# Altium PCB CSU RevA_ASCII.PcbDoc (part 3 of 5) (continued)
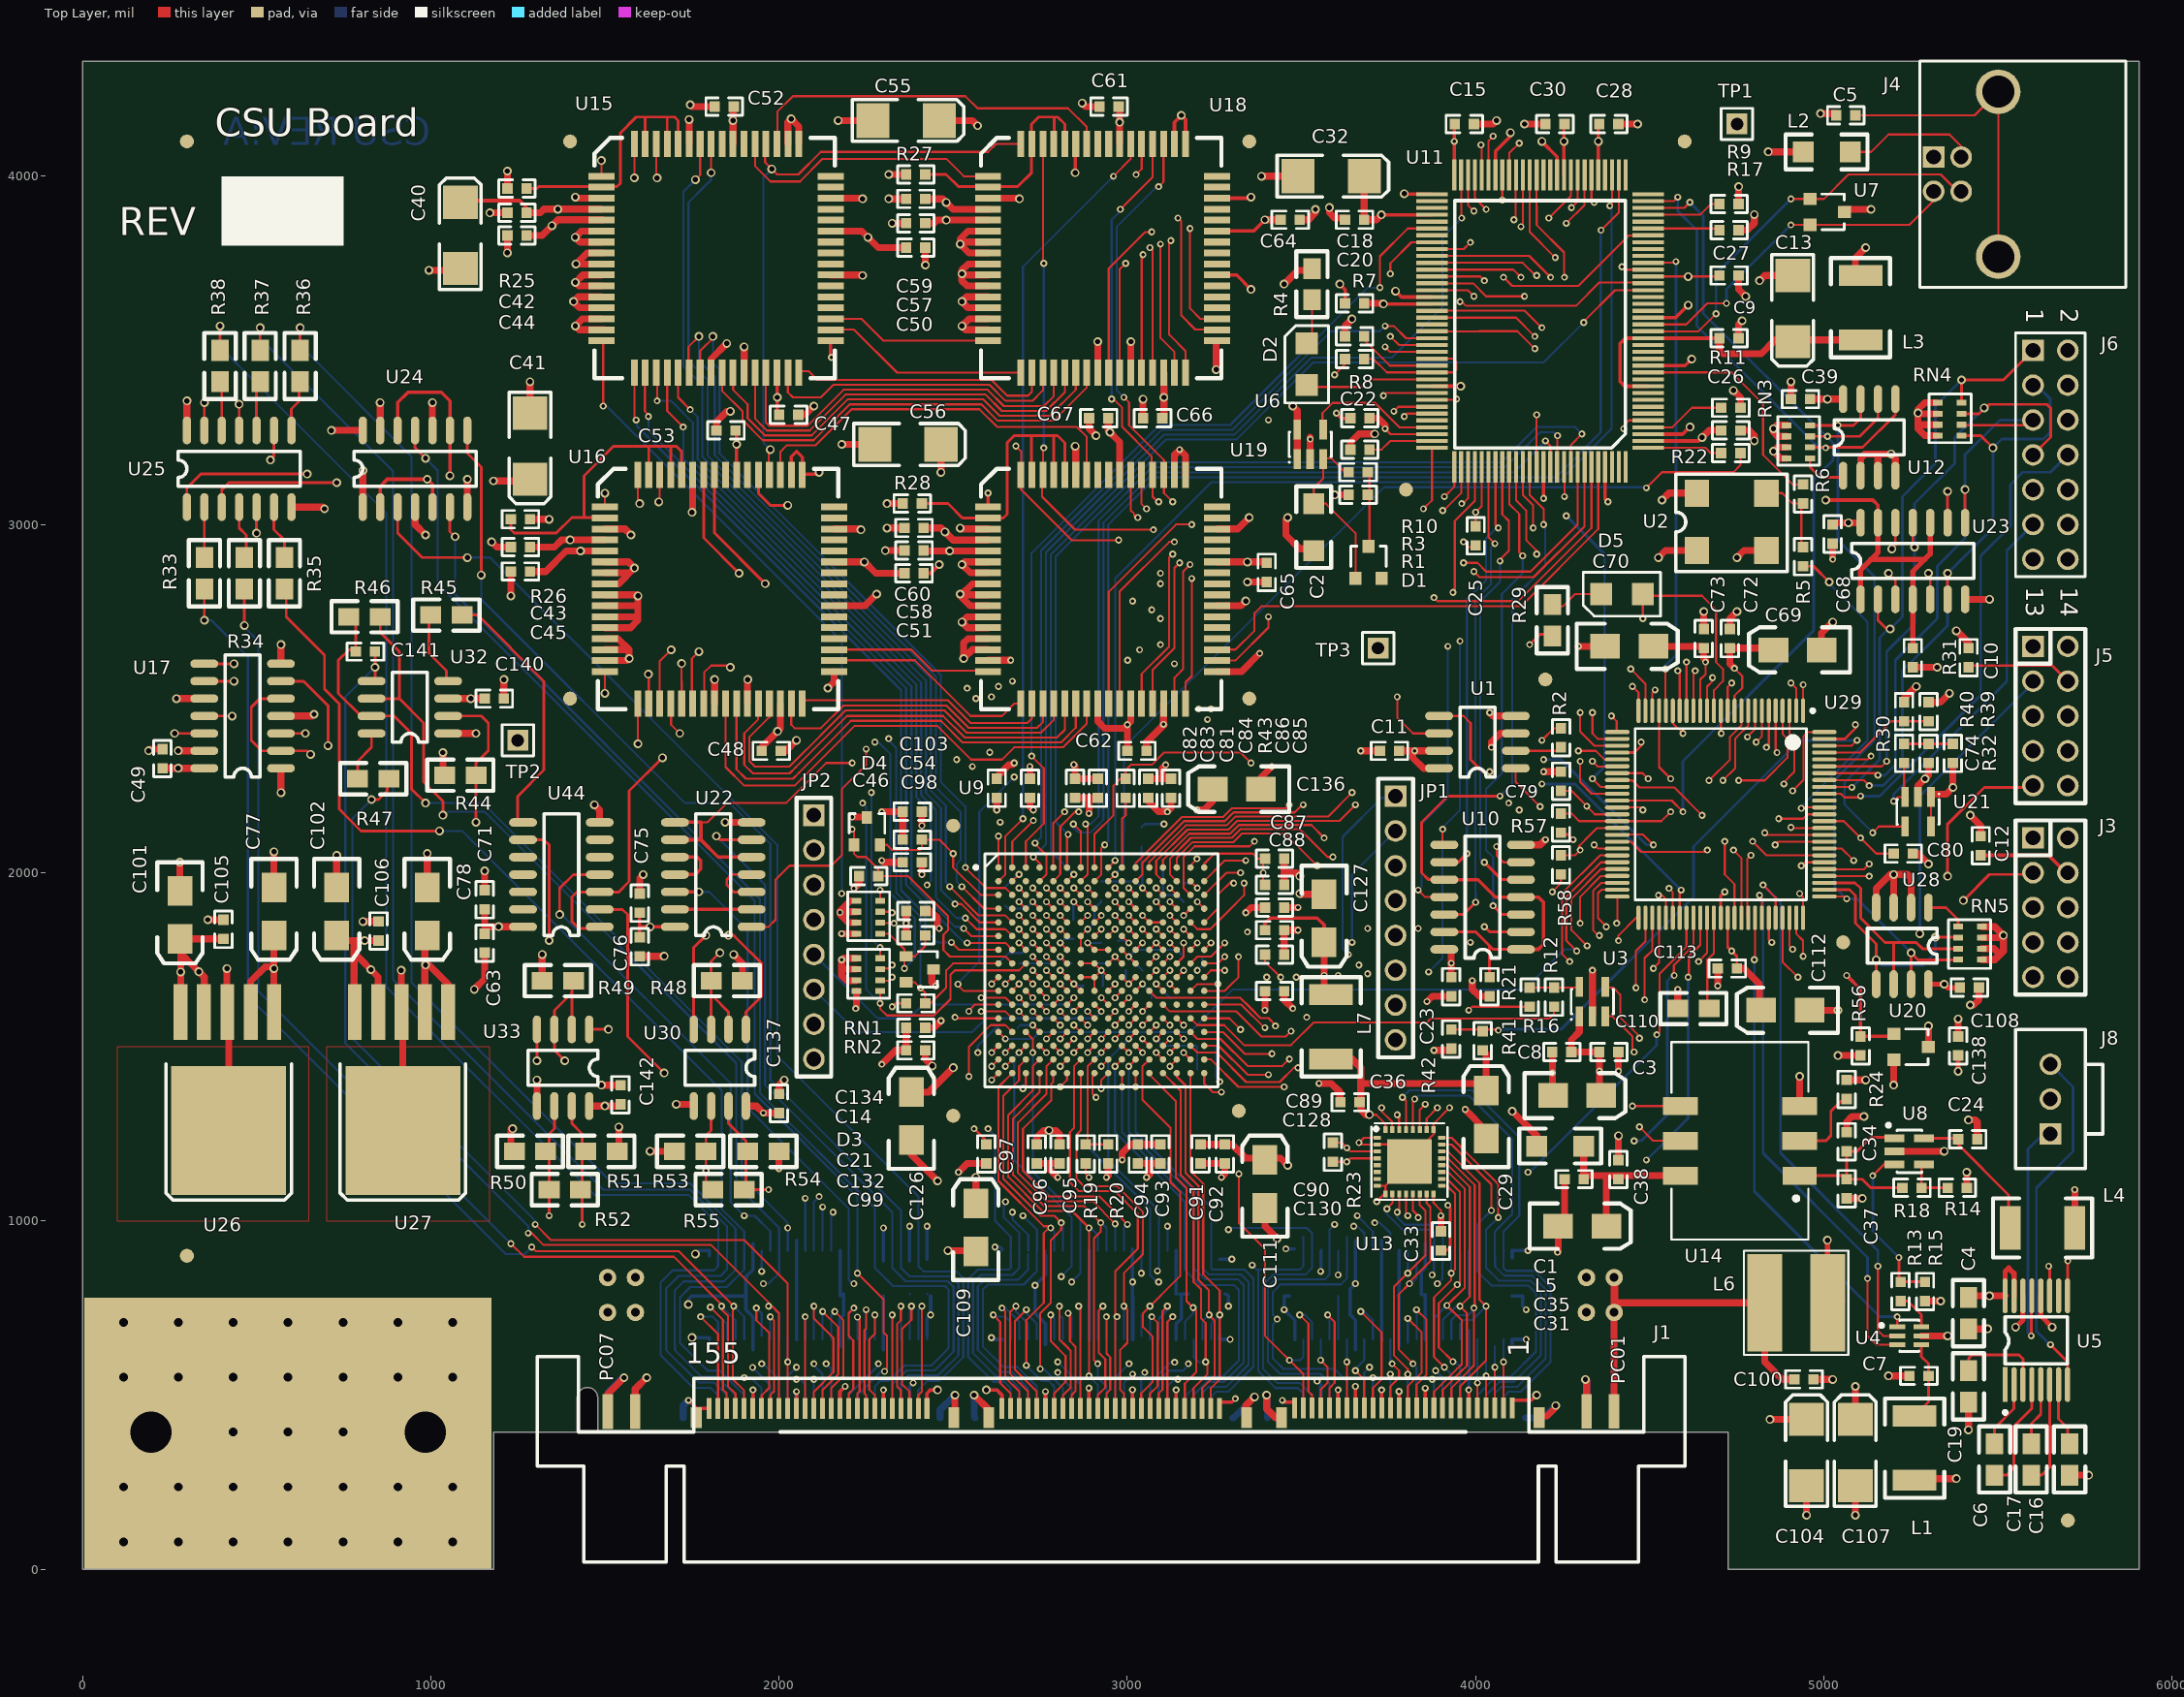
[diagram p0: Top Layer view]
## Nets (pads, with @x,y where several pads share a name; then routed paths per layer and width w, separated by ;. In a path a pad name is that pad's centre, name@x,y a point inside that pad or via, vN(x,y) a via of type N, cw(c..) or ccw(c..) an arc to the next point about the centre after c; other vN are vias at no path point) (continued)
  Bottom Layer w6: J1.156@1800,455 J1.156@1800.2,455.2 ; J1.146@1924.71,461.79 J1.146@1925,462.08 ; v1@2049.71,514.71 v1@2050,515 ; J2.159@2050.2,789.8 2050,790 2050.2,790.2 J2.136@2050.2,914.96 ; v1@2189.71,525 v1(2190,525) ; v1@2299.71,514.71 v1(2300,515) ; J2.159@2300,785 J2.159@2300.2,785.2 ; v1(2300,980) v1@2300.2,979.8 ; J2.115@2300.2,640 J2.115@2300.2,670 ; J2.159@2375,790 J2.159@2375.2,790.2 ; v1(2375,985) v1@2375.2,984.8 ; J2.159@2425,790 J2.159@2425.2,790.2 ; v1(2425,985) v1@2425.2,984.8 ; J2.105@2425.2,659.84 J2.105@2425.2,670 ; v1(2570.94,1483.5) 2570.94,1503.19 2622.76,1555.01 C121.1@2630,1555.01 ; C115.1@2635,1740.01 2635,1744.41 2660.18,1769.59 2699.55,1769.59 v3(2728.43,1798.46) ; J2.104@2640.35,914.96 J2.104@2640.35,919.65 ; C133.1@2650.01,1960 2685.32,1995.32 v3(2689.06,1995.32) ; v1@2764.86,509.86 v1(2765,510) ; J2.94@2765.35,900 J2.94@2765.35,914.96 ; C123.1@2845.01,1865 2845.01,1915.05 v3(2846.54,1916.57) ; J2.158@2890,785 J2.158@2890.35,785.35 ; C116.1@2895,1739.99 2945.54,1739.99 v3(2964.65,1759.09) ; C124.1@2925.01,1975 3024.33,1975 v3(3043.39,1955.94) 3043.39,2006.62 C135.1@3040,2010.01 C117.1@3039.99,2075 ; v3(2925.28,1719.72) 2930,1715 C125.1@2930,1674.99 ; C129.1@2973,1804.99 2997.49,1804.99 v3(3004.02,1798.46) ; C114.1@2995,1720.01 2995,1689.37 v3(3004.02,1680.35) ; v1@3010,520 v1(3014.86,515.14) ; J2.158@3015,785 J2.158@3015.35,784.65 ; v3(3082.76,1680.35) 3123.12,1639.99 C119.1@3125,1639.99 ; v1(3139.86,514.86) v1@3140,515 ; C131.1@3160.01,1970 3186.81,1970 v3(3200.87,1955.94) ; v3(3200.87,1719.72) 3215,1733.86 C118.1@3215,1759.09 ; C120.1@3255,1499.99 3255,1410 v1(3265,1400) ; J1.54@3264.86,461.79 3264.86,479.86 J1.54@3265,480 ; v1@3294.84,659.84 v1(3295,660) ; v1(3555,855) v1@3555.51,855.51 ; J1.42@3605,463.05 J1.42@3605.21,462.85 ; J2.157@3605,785 3605.51,784.49 J2.41@3605.51,659.84 ; v1(3605,845) 3605.51,845.51 J2.42@3605.51,914.96 ; v1(3655,525) v1@3655.21,524.79 ; v1(3730,515) v1@3730.21,514.79 ; J2.157@3730,785 3730.51,785.51 J2.32@3730.51,914.96 ; J1.28@3780,463.05 J1.28@3780.21,462.85 ; J2.27@3780.51,659.84 3780.51,779.49 3775,785 J2.157@3780.51,790.51 ; J1.22@3855,463.05 J1.22@3855.21,462.85 ; J2.157@3980,790 3980.51,790.51 J2.12@3980.51,914.96 ; v1@4144.84,659.84 v1(4145,660) ; v1@4149.96,914.96 v1(4150,915)
  Bottom Layer w10: v1(1740,485) 1763.21,461.79 J1.156@1799.71,461.79 ; v2(1740,760) 1740,775 1750,785 J2.159@1905,785 ; v2(1750,665) J2.155@1800,665 ; v2(1760,905) 1769.96,914.96 J2.156@1800.2,914.96 1800,914.76 J2.156@1800,900 ; J2.155@1800,659.84 J2.155@1800.2,659.84 ; J1.146@1925,462.08 v1(1925,515) ; J2.145@1925,630 1925,725 1905,745 1905,839.8 1925.2,860 1925.2,934.8 J2.146@1925,935 ; J1.136@2049.71,461.79 v1@2049.71,514.71 ; J2.136@2050,945 2050,660.04 J2.135@2050.2,659.84 ; J1.126@2174.71,461.79 2174.71,509.71 v1(2190,525) ; J2.125@2175,640 2175,720 2185,730 2185,790 2180,790 2175.2,785.2 J2.126@2175.2,914.96 ; J1.116@2299.71,461.79 v1@2299.71,514.71 ; J2.115@2300,630 J2.159@2300,785 ; J2.116@2300,885 2300,979.61 v1@2300.2,979.8 ; J1.110@2374.71,461.79 2374.71,524.71 v1(2385,535) ; J2.110@2375,885 2375,984.61 v1@2375.2,984.8 ; J1.106@2424.71,461.79 2424.71,504.71 2435,515 v2(2455,515) ; J2.106@2425,890 2425,984.61 v1@2425.2,984.8 ; J2.105@2425.2,670 2425.2,720.2 v1(2435,730) J2.159@2435,785 ; v2(2595,515) 2625,515 2640,500 2640,461.93 J1.104@2639.86,461.79 ; v1(2610,665) 2615.16,659.84 J2.103@2640.35,659.84 ; v1(2620,925) 2635,925 J2.104@2640.35,919.65 ; J1.94@2764.86,461.79 v1@2764.86,509.86 ; J2.93@2765,645 2765,705 2735,735 v1(2735,815) 2765.35,845.35 J2.94@2765.35,900 ; J1.84@2889.86,461.79 v1(2889.86,519.86) ; J2.83@2890.35,659.84 J2.84@2890.35,914.96 ; J1.74@3014.86,461.79 v1(3014.86,515.14) ; J2.158@3015,785 J2.74@3015,920 ; J2.73@3015.35,659.84 J2.158@3015.35,784.65 ; J1.64@3139.86,461.79 v1(3139.86,514.86) ; J2.158@3140,790 J2.64@3140,914.96 ; J2.63@3140.35,659.84 3140.35,705.35 3155,720 3155,785 3150,790 J2.158@3175,790 ; J1.54@3265,480 3300,480 v1(3310,490) ; J2.53@3265,670 3265,660.2 J2.53@3265.35,659.84 v1@3294.84,659.84 ; J2.54@3265,890 v1@3299.61,890 ; J2.158@3280,790 3285,790 3290,785 v1(3290,755) ; v1@3445,480 J1.52@3480,480 ; v1(3455,920) J2.52@3480,920 ; J2.157@3465,785 3450,785 v1(3450,745) 3480.51,714.49 J2.51@3480.51,659.84 ; v1(3545,540) 3555.21,529.79 J1.46@3555.21,462.85 ; v1@3555.51,855.51 J2.46@3555.51,914.96 ; J1.42@3605,463.05 v1(3605,515) ; J2.37@3655,630 3655,715 3640,730 3640,805 v1(3655,820) J2.38@3655,945 ; J1.38@3655.21,462.85 v1@3655.21,524.79 ; J2.32@3730,945 3730,660.35 J2.31@3730.51,659.84 ; J1.32@3730.21,462.85 v1@3730.21,514.79 ; J1.28@3780,463.05 v1@3780,505 ; J2.27@3780,640 3780,914.45 J2.28@3780.51,914.96 ; J1.22@3855,463.05 v1@3855,520 ; J2.22@3855,935 3855,865 3844,854 3844,789 3853.91,789 3855.51,787.4 J2.21@3855.51,659.84 ; J1.12@3980,450 J2.11@3980,685 ; J2.1@4105,635 4105,659.33 J2.1@4105.51,659.84 v1@4144.84,659.84 ; J2.157@4105,785 4135,785 4135,755 v1(4145,745) ; J2.2@4105,895 4105,914.45 J2.2@4105.51,914.96 v1@4149.96,914.96 ; J1.2@4105.21,462.85 4105.21,484.79 4105,485 4160,485 v2(4175,500)
  Bottom Layer w20: J1.PC08@1508.31,452.85 1510,454.54 1510,510 1550,550 v2(1555,550) ; J1.PC06@1587.21,452.85 1587.21,517.21 v2(1620,550) ; J1.0@1725,435 1725,470 v1(1740,485) ; J1.0@2462.21,434.79 2462.21,457.21 v2(2505,500) ; v2(2560,500) 2560,437 J1.0@2562.21,434.79 ; J1.0@3302.21,434.79 3304.79,434.79 v2(3365,495) ; v2(3400,500) 3402.21,497.79 J1.0@3402.21,434.79 ; J1.0@4142.21,434.79 4194.79,434.79 v2(4230,470) ; v2(4315,545) 4320,540 4320,455.04 J1.PC04@4318.31,453.35
  other v1: 3980,515 3015,825 3300,890 3715.75,1055.75 4220,1425 2365,1855 3490,1900 2720,2305 3000,2425 4680,2560 3525,3245
  other v2: 4950,155 5385,1580 1155,2005 5290,2270 2520,2800 2305,2925 2310,2990 2325,3865 1170,3895 2240,3935 2315,3935 4140,4150
GPS_1HZ: J1.49 J2.49 R19.1 | length 1334
  Top Layer w6: R19.1@2880.02,1165 2880.01,1134.99 v1(2890,1125) ; v1(3320,1135) 3320,995 3395,920 3395,670 3505,560 J1.49@3505,462.85
  MidLayer1 w6: v1(2890,1125) 2915,1150 3305,1150 v1(3320,1135)
  Bottom Layer w6: v1(3465,600) 3495.51,600 3505.51,610 J2.49@3505.51,659.84
I_ADDR0_A: J1.107 J2.107 U17.3 | length 3126.2
  Top Layer w6: J1.107@2399.71,461.79 2399.71,499.71 2410,510 v1(2410,755)
  Top Layer w8: U17.3@570,2400 v2(640,2400)
  MidLayer2 w6: v2(640,2400) 715,2400 775,2340 775,2190 1262.29,1702.71 1667.29,1702.71 2247,1123 2247,922.4 2410,759.4 v1(2410,755)
  Bottom Layer w6: J2.107@2400.2,659.84 2400,660.04 2400,745 v1(2410,755)
I_ADDR0_B: J1.109 J2.109 U17.6 | length 3241.7
  Top Layer w6: J1.109@2374.71,461.79 2374.71,510 2352.71,532 2352.71,689 2380,716.29 v1(2380,755)
  Top Layer w8: U17.6@565,2550 635,2550 705,2480 v2(705,2365)
  MidLayer2 w6: v2(705,2365) 705,2225 736.53,2193.47 1256.2,1673.8 1671.2,1673.8 2233,1112 2233,916.6 2380,769.6 v1(2380,755)
  Bottom Layer w6: J2.109@2375.2,659.84 2375.2,750.2 v1(2380,755)
I_ADDR1: J1.111 J2.111 U17.8 | length 3361.5
  Top Layer w6: J1.111@2349.71,461.79 2349.71,514 2338.71,525 2338.71,704 2349.71,715 v1@2349.71,754.71
  Top Layer w8: U17.8@355,2600 v2(435,2600)
  MidLayer2 w6: v2(435,2600) 475,2560 475,2400 1220,1655 1640,1655 2219,1076 2219,910.8 2350,779.8 v1(2350,755)
  Bottom Layer w6: v1(2350,755) 2350,660.04 J2.111@2350.2,659.84
I_ADDR2: J1.113 J2.113 U17.11 | length 3153.2
  Top Layer w6: J1.113@2324.71,461.79 2324.71,729.71 v1(2325,730)
  Top Layer w8: U17.11@350,2450 v2(430,2450)
  MidLayer2 w6: v2(430,2450) 425,2445 425,2415 1207.18,1632.82 1592.18,1632.82 2205,1020 2205,905 2325,785 v1(2325,730)
  Bottom Layer w6: v1(2325,730) 2325.2,729.8 J2.113@2325.2,659.84
IFCLK: R43.2 U9.A8 U11.32 | length 2907.2
  Top Layer w6: U9.A8@2905.59,2015 2905.59,2110.59 2960,2165 2960,2250 2980,2270 R43.2@2995.01,2270 2995.01,2295.01 3010,2310 3070,2310 3105,2345 3325,2345 v1(3355,2315) ; v1(4080,3710) 4105,3685 4295,3685 4326.03,3716.03 4440.24,3830.24 U11.32@4495,3830.24
  MidLayer2 w6: v1(3355,2315) 3430,2390 3430,2654.6 3775,2999.6 3775,3044.4 4089,3358.4 4089,3700 4080,3709 v1(4080,3710)
INT4: U11.28 U29.21 | length 1383.9
  Top Layer w6: U11.28@4495,3751.5 4571.5,3751.5 v1(4575,3755) ; U29.21@4545,2465 v1(4545,2585)
  Bottom Layer w8: v1(4545,2585) 4545,2595 4575,2625 v1(4575,3755)
INT5_N: U11.106 U29.20 | length 1355.7
  Top Layer w6: v1(3935,2805) 3940,2810 3940,3010 3997.72,3067.72 U11.106@3997.72,3165.63 ; U29.20@4565.98,2465 4565,2465.98 4565,2430 v1(4595,2400)
  MidLayer1 w6: v1(3935,2805) 4295,2805 4327.5,2772.5 4509.45,2590.55 4595,2505 v1(4595,2400)
INTERF_RES: U29.41 U44.1 U44.3 | length 3882.8
  Top Layer w6: U29.41@4405,2110 4480,2110 v1(4510,2080)
  Top Layer w8: U44.1@1484.96,1844.57 1480.39,1840 1425,1840 1405,1860 1405,1930 1419.57,1944.57 1539.57,1944.57 1570,1975 1570,2235 v2(1665,2330)
  MidLayer3 w6: v2(1665,2330) 1675,2340 2225,2340 2245,2320 2350,2320 2435,2405 2818,2405 2835,2388 4092,2388 4155,2325 v1(4195,2325)
  Bottom Layer w8: v1(4195,2325) 4245,2325 4490,2080 v1(4510,2080)
IR_REN_H_N: U16.51 U19.58 | length 1137.5
  Top Layer w6: U16.51@2003.94,3143 2003.94,3208.94 2022.72,3227.72 2105.2,3227.72 2208.48,3331 2575.21,3331 2626.21,3280 2855,3280 2883.47,3251.53 U19.58@2883.47,3143
IR_REN_L_N: U15.51 U18.58 | length 1086.8
  Top Layer w6: U15.51@1993.94,4093 1995,4091.94 1995,4185 2040,4230 2535,4230 2570,4195 2830,4195 2883.47,4141.53 U18.58@2883.47,4093
L_TCK: U10.12 U11.108 U23.12 | length 2615.7
  Top Layer w6: U11.108@4037.09,3165.63 4037.09,2962.91 v1(4055,2945)
  Top Layer w8: U10.12@3910,1880 3965,1880 v1(4000,1915) ; v2(5195,2930) 5205,2940 U23.12@5205,3005
  MidLayer3 w6: v1(4055,2945) 4060,2950 5175,2950 v2(5195,2930)
  Bottom Layer w6: v1(4000,1915) 4000,1944 3999,1945 3999,2784 4044,2829 4044,2934 v1(4055,2945)
L_TDI: U10.5 U11.110 U23.5 | length 2669.7
  Top Layer w6: v1(4070,2895) 4070,2900 4095,2925 4095,3010 4076.46,3028.54 U11.110@4076.46,3165.63
  Top Layer w8: v1(4025,2030) 4075,1980 U10.5@4135,1980 ; v2(5300,2860) 5305,2855 U23.5@5305,2785
  MidLayer3 w6: v1(4070,2895) 4111,2936 5124,2936 5160,2900 5260,2900 v2(5300,2860)
  Bottom Layer w6: v1(4025,2030) 4023,2030 4013,2040 4013,2778.2 4070,2835.2 v1(4070,2895)
L_TDO: U10.3 U11.111 U23.3 | length 2572.9
  Top Layer w6: U11.111@4096.14,3165.63 4096.14,3058.86 4125,3030 4125,2920 v1(4135,2910)
  Top Layer w8: v1(4050,1905) 4075,1880 U10.3@4130,1880 ; v2(5185,2860) 5205,2840 U23.3@5205,2785
  MidLayer3 w6: v1(4135,2910) 4170,2875 5170,2875 v2(5185,2860)
  Bottom Layer w6: v1(4050,1905) 4050,2045 4030,2065 4030,2240 4075,2285 4075,2800 4135,2860 v1(4135,2910)
L_TMS: U10.9 U11.109 U23.9 | length 2674.6
  Top Layer w6: U11.109@4056.77,3165.63 4056.77,2998.23 v1(4065,2990)
  Top Layer w8: U10.9@3910,2030 3950,2030 v1(3975,2055) ; U23.9@5355,3005 v2(5355,3095)
  MidLayer3 w6: v1(4065,2990) 4091,2964 5224,2964 v2(5355,3095)
  Bottom Layer w6: v1(3975,2055) 3975,2785 4027.24,2837.24 4030,2840 4030,2960 4060,2990 v1(4065,2990)
LED_1: J1.147 J2.147 R33.1 | length 3434.3
  Top Layer w6: v1(1290,925) 1302,913 1712,913 v1(1870,755) 1867,752 1867,546 1899.71,513.29 J1.147@1899.71,461.79
  Top Layer w8: v2(350,2725) R33.1@350,2820
  Bottom Layer w6: v2(350,2725) 370,2725 475,2620 475,1645 1215,905 1270,905 v1(1290,925) ; v1(1870,755) 1900,725 J2.147@1900,665 ; J2.147@1900.2,659.84 J2.147@1900.2,665
LED_2: J1.149 J2.149 R34.1 | length 3300.9
  Top Layer w6: v1(1230,935) 1268,897 1698,897 1835,760 1835,746 1853,728 1853,526 1875,504 J1.149@1875,470 ; J1.149@1874.71,461.79 J1.149@1874.71,470
  Top Layer w8: v2(465,2710) R34.1@465,2815
  Bottom Layer w6: v2(465,2710) 465,2705 505,2665 505,1660 v1(1230,935) ; v1(1835,755) 1875.2,714.8 J2.149@1875.2,659.84
LED_3: J1.148 J2.148 R35.1 | length 3302.2
  Top Layer w8: R35.1@580,2810 585,2810 585,2735 695,2625 695,2527.23 737.23,2485 737.23,2182.77 763.97,2156.03 800,2120 v2(1025,2120)
  Bottom Layer w6: v2(1025,2120) 1090,2120 1119.67,2090.33 1835,1375 1835,1035 1900.2,969.8 1900.2,860 1850.2,810 1745,810 1716,781 1716,649 1795,570 1829.71,570 1899.71,500 J1.148@1899.71,461.79
LED_4: J1.150 J2.150 R36.1 | length 4055.3
  Top Layer w8: R36.1@625,3500 v2(625,3565)
  Bottom Layer w6: v2(625,3565) 625,3515 945,3195 945,1685 1521.97,1108.03 1745,1108.03 1875,978.03 1875,914.76 J2.150@1875.2,914.96 1875.2,860 1841.2,826 1726,826 1700,800 1700,643.43 ; 1701,643.43 1701,629 1777.63,552.37 1822.33,552.37 1874.71,500 J1.150@1874.71,461.79
LED_5: J1.152 J2.152 R37.1 | length 4110.4
  Top Layer w8: R37.1@510,3500 v2(510,3565)
  Bottom Layer w6: v2(510,3565) 510,3535 892,3153 892,1693 1495,1090 1745,1090 1850.2,984.8 1850.2,860.2 1832.37,842.37 1712.37,842.37 1676,806 1676,629 1768.63,536.37 1813.33,536.37 1849.71,500 J1.152@1849.71,461.79
LED_6: J1.154 J2.154 R38.1 | length 4170.2
  Top Layer w8: R38.1@395,3500 v2(395,3570)
  Bottom Layer w6: v2(395,3570) 395,3510 446.52,3458.48 ; 435,3470 872,3033 872,1673 1470,1075 1740,1075 1825.2,989.8 J2.154@1825.2,914.96 ; J1.154@1824.71,461.79 1824.71,500 1804.33,520.37 1754.63,520.37 1660,615 1660,823.37 1695,858.37 1813.37,858.37 1825,870 1825,904.8 J2.154@1825.2,905
LED_S_1: U25.1 U29.13 | length 4868.8
  Top Layer w6: v1@4703.78,2401.22 U29.13@4703.78,2465
  Top Layer w8: U25.1@300,3050 300,3105 340,3145 v2(645,3145)
  MidLayer3 w6: v2(645,3145) 1060,2730 2415,2730 2451.59,2693.41 3121.39,2693.41 3128.82,2685.98 3213.8,2601 3785,2601 3809,2625 4465,2625 4690,2400 v1(4705,2400)
LED_S_2: D5.K U25.3 U29.14 | length 4937.9
  Top Layer w6: D5.K@4470,2800 4475,2795 4650,2795 4690,2755 4690,2605 4710,2585 4710,2550 4684.09,2524.09 U29.14@4684.09,2465 ; v1(4480,2730) D5.K@4480,2800
  Top Layer w8: U25.3@400,3050 400,3100 420,3120 v2(730,3120)
  MidLayer3 w6: v2(730,3120) 1100,2750 2585,2750 2629.59,2705.41 3510.41,2705.41 3535,2730 v1(4480,2730)
LED_S_3: U25.5 U29.5 | length 4897.1
  Top Layer w6: U29.5@4861.26,2465 4861.26,2348.74 v1(4865,2345)
  Top Layer w8: v2(500,2975) U25.5@500,3050
  MidLayer3 w6: v2(500,2975) 605,2975 896.7,2683.3 918.33,2661.67 1248.33,2661.67 1445,2465 2750,2465 2830,2545 4364.06,2545 4574.06,2335 4855,2335 v1(4865,2345)
LED_S_4: U25.9 U29.6 | length 4980.9
  Top Layer w6: v1(4835,2360) 4841.57,2366.57 U29.6@4841.57,2465
  Top Layer w8: v2(540,3185) 550,3195 U25.9@550,3270
  MidLayer3 w6: v2(540,3185) 540,3065 910.7,2694.3 921.88,2683.12 1263.88,2683.12 1470,2477 2737,2477 2819,2559 4367.03,2559 4577.03,2349 4824,2349 v1(4835,2360)
LED_S_5: U25.11 U29.7 | length 5037.2
  Top Layer w6: v1(4805,2375) 4821.89,2391.89 U29.7@4821.89,2475
  Top Layer w8: U25.11@450,3270 v2(450,3345)
  MidLayer3 w6: v2(450,3345) 460,3345 580,3225 580,3075 650.05,3004.95 950,2705 2370,2705 2424.6,2650.4 2674.19,2650.4 2751.6,2573 4370,2573 4580,2363 4794,2363 4805,2374 v1(4805,2375)
LED_S_6: U25.13 U29.8 | length 5141
  Top Layer w6: v1(4780,2390) 4802.2,2412.2 U29.8@4802.2,2465
  Top Layer w8: U25.13@350,3270 v2(350,3350)
  MidLayer3 w6: v2(350,3350) 350,3360 365,3375 485,3375 610,3250 610,3095 654.91,3050.09 987,2718 2397,2718 2433.59,2681.41 3113.59,2681.41 3208,2587 3792,2587 3816,2611 4459.2,2611 4693.2,2377 4769,2377 4780,2388 v1(4780,2390)
LOCK_EVENT: U9.C15 U11.76 | length 2544.6
  Top Layer w6: U9.C15@3181.18,1936.26 3161.5,1955.94 3161.5,2045 3192.5,2076 3351,2076 v1(3365,2090) ; U11.76@3874.45,3731.81 4108.19,3731.81 v1(4130,3710)
  MidLayer2 w6: v1(3365,2090) 3365,2289 3450,2374 3450,2654.8 3795,2999.8 3795,3044.6 4103,3352.6 4103,3690 4123,3710 v1(4130,3710)
M_ADDR0: U17.2 U17.5 U29.65 | length 4842.2
  Top Layer w6: v1(4715,2090) 4715,1995 4743.15,1966.85 U29.65@4743.15,1870.51
  Top Layer w8: U17.5@570,2500 510,2500 485,2475 485,2380 515,2350 645,2350 v2(655,2340)
  MidLayer3 w6: v2(655,2340) 660,2340 710,2290 2380,2290 2464.89,2374.89 2790.11,2374.89 2815,2350 3617,2350 3628.34,2338.66 3640,2327 3902.4,2327 4100,2129.4 4545,2129.4 ; 4545,2130 4555,2130 4585,2100 4705,2100 v1(4715,2090)
M_ADDR1: U17.9 U29.66 | length 4886.7
  Top Layer w6: v1(4740,2065) 4762.83,2042.17 U29.66@4762.83,1870.51
  Top Layer w8: U17.9@350,2550 v2(435,2550)
  MidLayer3 w6: v2(435,2550) 435,2524 685,2274 2456,2274 2485,2245 2715,2245 2807.54,2337.54 3612.49,2337.54 3637.03,2313 3899.43,2313 4097.43,2115 4535,2115 4565,2085 4680,2085 4700,2065 v1(4740,2065)
M_ADDR2: U17.12 U29.67 | length 5007.1
  Top Layer w6: U29.67@4780,1870 4780,2040 v1(4790,2050)
  Top Layer w8: v2(265,2400) U17.12@355,2400
  MidLayer3 w6: v2(265,2400) 535,2400 675,2260 2453.03,2260 2480.03,2233 2733,2233 2781.52,2281.52 3612.52,2281.52 3630,2299 3893.63,2299 4152.63,2040 4770,2040 4780,2050 v1(4790,2050)
M_SEL_N: R31.1 U11.113 U23.1 U23.4 U23.10 U23.13 | length 2063.6
  Top Layer w6: U11.113@4135.51,3165.63 4135.51,3084.89 4165,3055.4 v1(4165,2990)
  Top Layer w10: v2(5005,3070) 5140,3070 5155,3055 U23.13@5155,3000
  Top Layer w15: U23.1@5105,2785 5105,2870 5155,2920 U23.13@5155,3000 ; 5134.46,2899.46 5289.46,2899.46 ; R31.1@5254.99,2645 5255,2865 5305,2915 U23.10@5305,3015
  MidLayer3 w6: v1(4165,2990) 4177,2978 4913,2978 v2(5005,3070)
MI_DAT0: U9.J2 U29.25 | length 2840.9
  Top Layer w6: v3(2649.68,1680.35) U9.J2@2669.37,1700.04 ; v1(4450,2535) 4467.56,2517.44 U29.25@4467.56,2465
  MidLayer1 w6: v1(2610,2505) 2693,2505 2721,2533 3227.4,2533 3255.4,2561 4399,2561 4425,2535 v1(4450,2535)
  MidLayer2 w6: v1(2610,2505) 2625,2490 2625,2320 2600,2295 2600,2096.91 2637.68,2059.23 2637.68,1692.35 v3(2649.68,1680.35)
MI_DAT1: U9.J1 U29.26 | length 2655.8
  Top Layer w6: v3(2610.32,1680.35) U9.J1@2630,1700.04 ; v1(4390,2450) 4405,2435 U29.26@4405,2405
  MidLayer1 w6: v1(2605,2346) 2609.3,2346 2645.76,2382.46 2790,2382.46 2813.46,2359 3459.06,2359 3545.06,2445 3915,2445 3960,2490 4350,2490 v1(4390,2450)
  MidLayer2 w6: v1@2603,2348 2587,2332 2587,2092.94 2625,2054.94 2625,1695.04 v3(2610.32,1680.35)
MI_DAT2: U9.K6 U29.27 | length 2256.1
  Top Layer w6: v3(2807.17,1680.35) U9.K6@2826.85,1660.67 ; v1(4335,2460) 4335.31,2459.69 4335.31,2399.69 4350.71,2384.29 U29.27@4406.54,2384.29
  MidLayer2 w6: v1(3400,1700) 3435,1735 3435,2080 3860,2505 4290,2505 v1(4335,2460)
  MidLayer3 w6: v3(2807.17,1680.35) 2826.85,1700.04 3335,1700.04 3335.04,1700 v1(3400,1700)
MI_DAT3: U9.L6 U29.28 | length 2294.6
  Top Layer w6: U9.L6@2826.85,1621.3 v3(2846.54,1640.98) ; v1(4300,2460) 4300,2405 4322.12,2382.88 4340,2365 U29.28@4410,2365
  MidLayer2 w6: v1(3485,1700) 3485,1705 3455,1735 3455,2083.03 3862.97,2491 4269,2491 v1(4300,2460)
  MidLayer3 w6: v3(2846.54,1640.98) 2866.22,1660.67 3445.67,1660.67 v1(3485,1700)
MI_DAT4: U9.L3 U29.29 | length 3159.5
  Top Layer w6: v3(2689.06,1640.98) U9.L3@2708.74,1621.3
  Top Layer w8: U29.29@4406.54,2344.92 4455,2344.92 4475,2364.92 v1(4475,2375)
  MidLayer1 w6: v1(2565,2500) 2582.81,2482.19 2692.19,2482.19 2725,2515 3230,2515 3264,2549 4391,2549 4458.59,2481.41 4475,2465 v1(4475,2375)
  MidLayer2 w6: v1(2565,2500) 2575,2490 2575,2087.97 2613,2049.97 2613,1723 2590.67,1700.67 2590.67,1660.63 2610.32,1640.98 v3(2689.06,1640.98)
MI_DAT5: U9.K1 U29.30 | length 2609
  Top Layer w6: v1@2511.81,1678.19 2529.33,1660.67 U9.K1@2630,1660.67 ; v1(4295,2350) 4345,2350 4369.76,2325.24 U29.30@4406.54,2325.24
  MidLayer1 w6: v1(2675,2275) 2681,2269 3430,2269 3563,2402 4239,2402 4291,2350 v1(4295,2350)
  Bottom Layer w6: v1(2513.63,1680) 2515,1680 2515,1685 2575,1745 2575,2175 v1(2675,2275)
MI_DAT6: U9.L2 U29.31 | length 2777.7
  Top Layer w6: v1(2580,1640.98) 2649.68,1640.98 U9.L2@2669.37,1621.3 ; v1(4335,2320) 4350,2305 4405.98,2305 U29.31@4406.54,2305.55
  MidLayer1 w6: v1(2555,2305) 2619.8,2305 2663.23,2348.43 2673.26,2358.46 2770,2358.46 2793.46,2335 3469,2335 3550,2416 4274,2416 4335,2355 v1(4335,2320)
  MidLayer2 w6: v1(2555,2305) 2555,2091 2601,2045 2601,1727.97 2575,1701.97 2575,1645 2579.02,1640.98 v1(2580,1640.98)
MI_DAT7: U9.L1 U29.32 | length 3066.6
  Top Layer w6: v1@2545,1604.23 2562.06,1621.3 2569.51,1621.3 U9.L1@2630,1621.3 ; U29.32@4407.4,2285 U29.32@4406.54,2285.87 4479.13,2285.87 v1(4495,2270)
  MidLayer1 w6: v1(2510,2325) 2620,2325 2665.46,2370.46 2779.54,2370.46 2803,2347 3464.03,2347 3547.03,2430 4290,2430 4450,2270 v1(4495,2270)
  MidLayer2 w6: v1(2510,2325) 2510,2099 2577,2032 2577,1737.91 2545.63,1706.54 2545.63,1602.56 v1(2545,1601.93)
MO_DAT0: U9.K2 U29.43 | length 2452.6
  Top Layer w6: U9.K2@2669.37,1660.67 v3(2689.06,1680.35) ; v1(4340,2080) 4350,2070 U29.43@4405,2070
  MidLayer1 w6: v1(2635,2145) 2639,2145 2714.94,2220.94 3417.91,2220.94 3506.97,2310 4105,2310 4335,2080 v1(4340,2080)
  MidLayer2 w6: v1(2635,2145) 2649.68,2130.32 2649.68,1719.72 v3(2689.06,1680.35)
MO_DAT1: U9.N2 U29.44 | length 2673.9
  Top Layer w6: v1(2545,1415) 2545,1500 2607.24,1562.24 2649.68,1562.24 U9.N2@2669.37,1542.56 ; v1(4270,1745) 4248,1767 4248,1940.83 4356.82,2049.65 U29.44@4406.54,2049.65
  MidLayer3 w6: v1(2545,1415) 2641,1319 3574,1319 3665,1410 4073.03,1410 4270,1606.97 v1(4270,1745)
MO_DAT2: U9.N1 U29.45 | length 2132.3
  Top Layer w6: U9.N1@2630,1542.56 v3(2649.68,1522.87) ; v1(4290,1775) 4260,1805 4260,1930.3 4359.66,2029.96 U29.45@4406.54,2029.96
  Bottom Layer w6: v3(2649.68,1522.87) 2728.43,1522.87 2748.11,1542.56 3180,1542.56 3302.44,1665 4140,1665 4255,1780 4285,1780 v1(4290,1775)
MO_DAT3: U9.K5 U29.46 | length 2055.9
  Top Layer w6: v3(2767.8,1680.35) U9.K5@2787.48,1660.67 ; v1(4320,1790) 4275.01,1834.99 4275.01,1925.51 4359.77,2010.28 U29.46@4406.54,2010.28
  MidLayer1 w6: v3(2767.8,1680.35) 2787.48,1660.67 2866.22,1660.67 2905.59,1621.3 3327.3,1621.3 3364.21,1658.21 3633.21,1658.21 3690,1715 v1(3690,1710)
  MidLayer2 w6: v1(3690,1710) 3730,1670 4235,1670 4320,1755 v1(4320,1790)
MO_DAT4: U9.L4 U29.47 | length 1927.5
  Top Layer w6: U9.L4@2748.11,1621.3 v3(2767.8,1601.61) ; v1(4300,1855) 4300,1930.7 4359.3,1990 U29.47@4415,1990
  MidLayer1 w6: v3(2767.8,1601.61) 2787.48,1581.93 3070.26,1581.93 3092.33,1604 3334.2,1604 3374.41,1644.21 3655,1644.21 3715,1704.21 3715,1745 3735,1765 3950,1765 v1(3985,1800)
  MidLayer3 w6: v1(3985,1800) 4055,1800 4115,1860 4300,1860 v1(4300,1855)
MO_DAT5: U9.R1 U29.48 | length 2321.4
  Top Layer w6: v3(2610.32,1444.13) U9.R1@2630,1463.82 ; v1(4355,1820) 4351.93,1820 4336.93,1835 4336.93,1947.84 4360,1970.91 U29.48@4406.54,1970.91
  MidLayer3 w6: v3(2610.32,1444.13) 2630,1424.45 3335.55,1424.45 3400,1360 3590,1360 3665,1435 4080,1435 4169.39,1524.39 4245,1600 4245,1771.03 4284.97,1811 4341,1811 4355,1825 v1(4355,1820)
MO_DAT6: U9.P2 U29.49 | length 2239.7
  Top Layer w6: v3(2649.68,1483.5) U9.P2@2669.37,1503.19 ; v1(4375,1845) 4375,1846.46 4351.46,1870 4351.46,1941.46 4361.22,1951.22 U29.49@4406.54,1951.22
  MidLayer3 w6: v3(2649.68,1483.5) 2669.37,1463.82 3323.82,1463.82 3365,1505 3605,1505 3660,1450 4075,1450 4162.37,1537.37 4205.12,1580.12 4220,1595 4220,1775 4268,1823 4323,1823 4350,1850 4370,1850 v1(4375,1845)
MO_DAT7: U9.P1 U29.50 | length 2220.1
  Top Layer w6: v3(2610.32,1483.5) U9.P1@2630,1503.19 ; v1(4405,1855) 4406.54,1856.54 U29.50@4406.54,1931.54
  MidLayer3 w6: v3(2610.32,1483.5) 2630,1503.19 3318.98,1503.19 3335.79,1520 3620,1520 3675,1465 4073.03,1465 4198.03,1590 4198.03,1778.03 4255,1835 4315,1835 4348,1868 4392,1868 v1(4405,1855)